# Altium PCB C1B_EVAL_DEV2.PcbDoc
Units mil, origin at the board's own origin, x right, y up, seen from the top; angles counter-clockwise.
Board outline 6000 x 4000 mil, 2 copper layers (Top Layer, Bottom Layer); 212 components, 130 nets, 682 pads, 0 vias.
Unrouted connection lines stored in the file: 438.
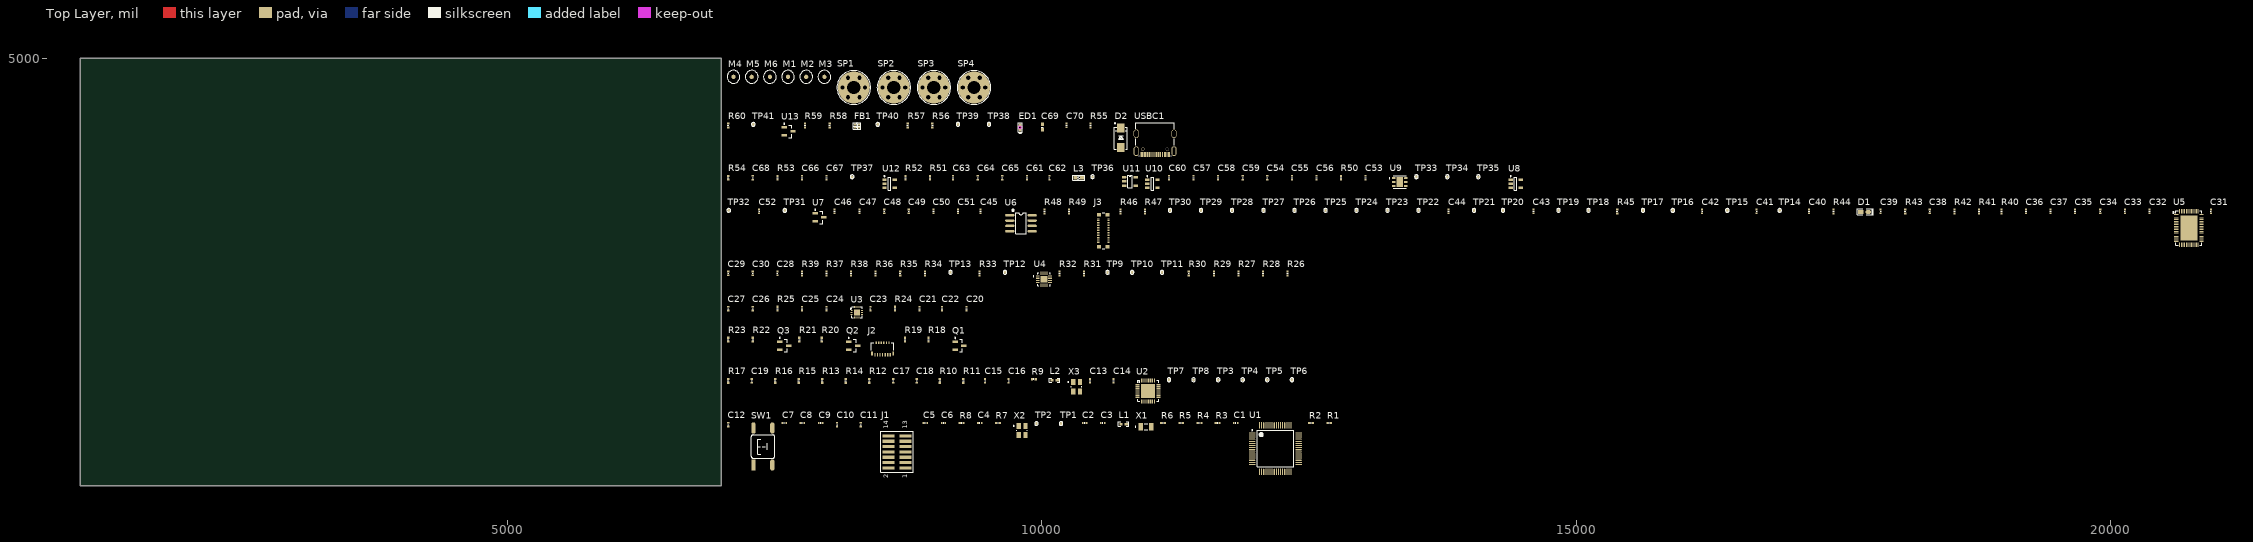
[diagram p0: Top Layer view]
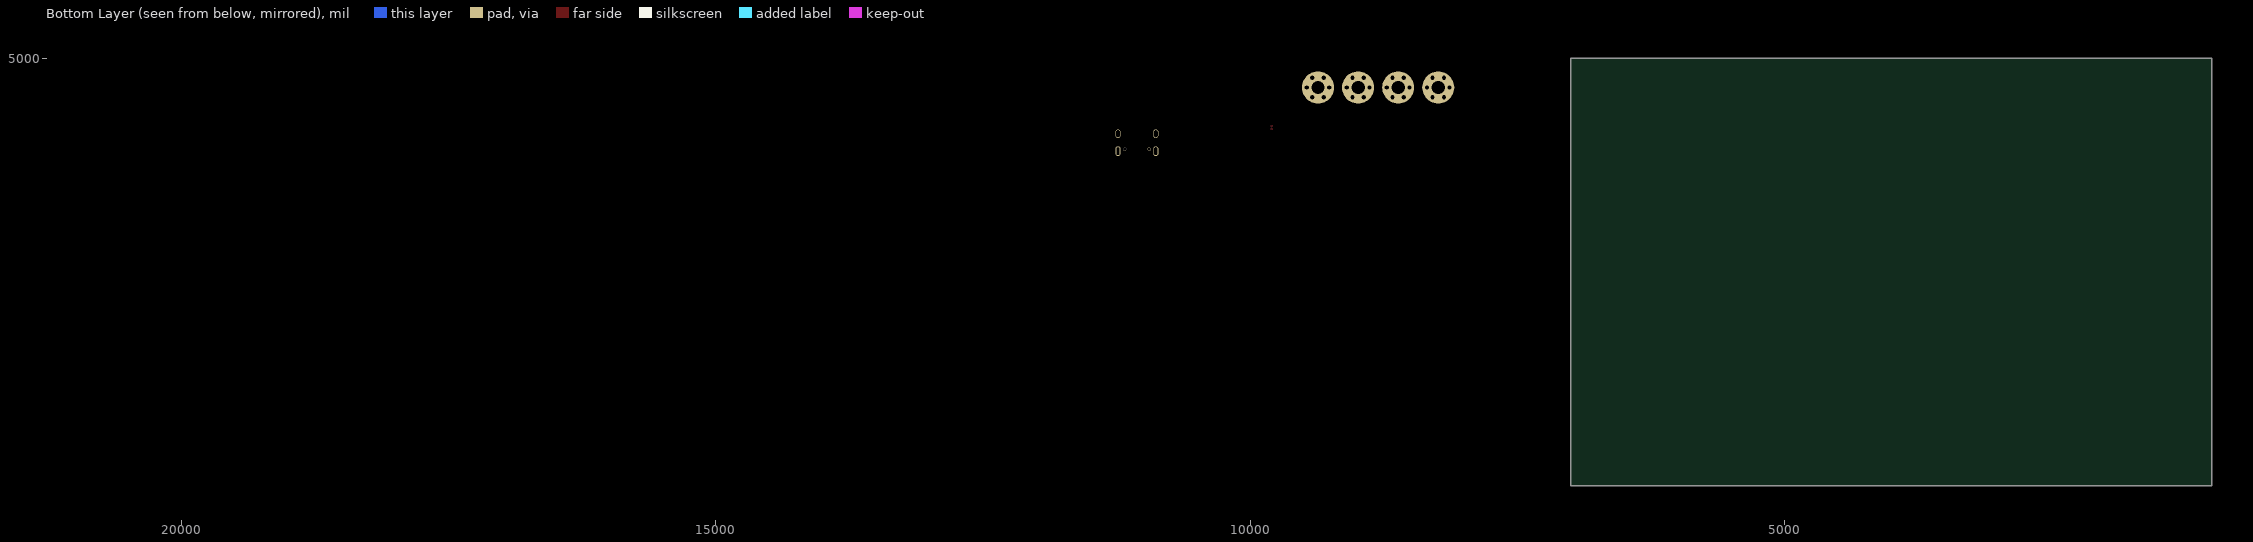
[diagram p1: Bottom Layer view, seen from below]

## Layer stack, top to bottom
Top Solder: solder mask 0.4, Solder Resist, Dk 3.5
Top Layer: signal copper 1.4
Dielectric 1: dielectric 12.6, FR-4, Dk 4.8
Bottom Layer: signal copper 1.4
Bottom Solder: solder mask 0.4, Solder Resist, Dk 3.5

## Board outline
1000,1000 7000,1000 7000,5000 1000,5000

## Design rules (kind name [scope] priority, off if disabled: settings)
Clearance [All] p1: gap=10 ignorepadtopadclearanceinfootprint=FALSE except(0: Arc-Hole Track-Hole SMDPad-Hole THPad-Hole Via-Hole Fill-Hole Poly-Hole Region-Hole Text-Hole)
DiffPairsRouting [All] p1: maxlimit=10 minlimit=10 mostfreqgap=10 toplayer_minwidth=15 toplayer_maxwidth=15 toplayer_prefwidth=15 bottomlayer_minwidth=15 bottomlayer_maxwidth=15 bottomlayer_prefwidth=15 maxuncoupledlength=500
PolygonConnect [All] p1: connectstyle=Relief reliefconductorwidth=10 reliefentries=4 polygonreliefangle="90 Angle" airgapwidth=10
RoomDefinition 99_MISCS [InComponentClass('99_MISCS')] p1: confinementstyle=ConfineIn formatcopy=TRUE lockcomponents=FALSE outline 7045,4555 9535,4555 9535,4995 7045,4995
RoomDefinition 22_USB_CONNECTOR [InComponentClass('22_USB_CONNECTOR')] p2: confinementstyle=ConfineIn formatcopy=TRUE lockcomponents=FALSE outline 7045,4065 11270,4065 11270,4505 7045,4505
RoomDefinition 21_POWER_DOMAINS [InComponentClass('21_POWER_DOMAINS')] p3: confinementstyle=ConfineIn formatcopy=TRUE lockcomponents=FALSE outline 7045,3745 14520,3745 14520,4015 7045,4015
RoomDefinition 15_ISP [InComponentClass('15_ISP')] p4: confinementstyle=ConfineIn formatcopy=TRUE lockcomponents=FALSE outline 7045,3170 21095,3170 21095,3700 7045,3700
RoomDefinition 12_ADAU7118_CODEC [InComponentClass('12_ADAU7118_CODEC')] p5: confinementstyle=ConfineIn formatcopy=TRUE lockcomponents=FALSE outline 7045,2840 12475,2840 12475,3120 7045,3120
RoomDefinition 11_ES7201_LOOPBACK [InComponentClass('11_ES7201_LOOPBACK')] p6: confinementstyle=ConfineIn formatcopy=TRUE lockcomponents=FALSE outline 7045,2550 9470,2550 9470,2790 7045,2790
RoomDefinition 10_PDM_MICS [InComponentClass('10_PDM_MICS')] p7: confinementstyle=ConfineIn formatcopy=TRUE lockcomponents=FALSE outline 7045,2160 9315,2160 9315,2500 7045,2500
RoomDefinition 06_USB_HUB20 [InComponentClass('06_USB_HUB20')] p8: confinementstyle=ConfineIn formatcopy=TRUE lockcomponents=FALSE outline 7045,1755 12510,1755 12510,2115 7045,2115
RoomDefinition 05_SM32_MCU [InComponentClass('05_SM32_MCU')] p9: confinementstyle=ConfineIn formatcopy=TRUE lockcomponents=FALSE outline 7045,1060 12770,1060 12770,1705 7045,1705
RoutingVias [All] p1: holewidth=28 width=50 viastyle="Through Hole" minholewidth=28 minwidth=50 maxholewidth=28 maxwidth=50
SolderMaskExpansion [All] p1: expansion=4 istentingtop=FALSE
Width [All] p1: maxlimit=10 minlimit=10 preferedwidth=10
29 further rules are at their usual default settings.

## Classes and differential pairs
differential pair class USB: HUB1_D HUB2_D USB_D USB_M_D
differential pair class AUDIO_IN: AUDIO_R LOOPBACK_R
net class USB: HUB1_D_N HUB1_D_P USB_D_N USB_D_P
net class AUDIO_DIFF: AUDIO_R_N AUDIO_R_P LOOPBACK_R_N LOOPBACK_R_P
component class 99_MISCS: M1 M2 M3 M4 M5 M6 SP1 SP2 SP3 SP4
component class 22_USB_CONNECTOR: C69 C70 D2 ED1 FB1 R55 R56 R57 R58 R59 R60 TP38 TP39 TP40 TP41 U13 USBC1
component class 21_POWER_DOMAINS: C53 C54 C55 C56 C57 C58 C59 C60 C61 C62 C63 C64 C65 C66 C67 C68 L3 R50 R51 R52 R53 R54 TP33 TP34 TP35 TP36 TP37 U8 U9 U10 U11 U12
component class 15_ISP: C31 C32 C33 C34 C35 C36 C37 C38 C39 C40 C41 C42 C43 C44 C45 C46 C47 C48 C49 C50 C51 C52 D1 J3 R40 R41 R42 R43 R44 R45 R46 R47 R48 R49 TP14 TP15 TP16 TP17 TP18 TP19 TP20 TP21 TP22 TP23 TP24 TP25 TP26 TP27 TP28 TP29 TP30 TP31 TP32 U5 U6 U7
component class 12_ADAU7118_CODEC: C28 C29 C30 R26 R27 R28 R29 R30 R31 R32 R33 R34 R35 R36 R37 R38 R39 TP9 TP10 TP11 TP12 TP13 U4
component class 11_ES7201_LOOPBACK: C20 C21 C22 C23 C24 C25 C26 C27 R24 R25 U3
component class 10_PDM_MICS: J2 Q1 Q2 Q3 R18 R19 R20 R21 R22 R23
component class 06_USB_HUB20: C13 C14 C15 C16 C17 C18 C19 L2 R9 R10 R11 R12 R13 R14 R15 R16 R17 TP3 TP4 TP5 TP6 TP7 TP8 U2 X3
component class 05_SM32_MCU: C1 C2 C3 C4 C5 C6 C7 C8 C9 C10 C11 C12 J1 L1 R1 R2 R3 R4 R5 R6 R7 R8 SW1 TP1 TP2 U1 X1 X2
differential pair USB_M_D: +USB_M_D_P -USB_M_D_N
differential pair USB_D: +USB_D_P -USB_D_N
differential pair LOOPBACK_R: +LOOPBACK_R_P -LOOPBACK_R_N
differential pair HUB2_D: +HUB2_D_P -HUB2_D_N
differential pair HUB1_D: +HUB1_D_P -HUB1_D_N
differential pair AUDIO_R: +AUDIO_R_P -AUDIO_R_N

## Components (designator, comment, footprint, x,y, rotation, side; value= is the part's Value field where it differs from the comment)
C1 "1uF" C0402_L 11815,1585 r0 top
C2 "4.3pF" C0402_L 10400,1585 r0 top
C3 "4.3pF" C0402_L 10570,1585 r0 top
C4 "4.7uF" C0402_L 9420,1585 r0 top
C5 "20pF" C0402_L 8910,1585 r0 top
C6 "20pF" C0402_L 9080,1585 r0 top
C7 "100nF" C0402_L 7590,1585 r0 top
C8 "2.2uF" C0402_L 7760,1585 r0 top
C9 "2.2uF" C0402_L 7930,1585 r0 top
C10 "2.2uF" C0402_L 8085,1570 r90 top
C11 "2.2uF" C0402_L 8305,1570 r90 top
C12 "100nF" C0402_L 7065,1570 r90 top
C13 "100nF" C0402_L 10450,1980 r90 top
C14 "100nF" C0402_L 10670,1980 r90 top
C15 "100nF" C0402_L 9470,1980 r90 top
C16 "100nF" C0402_L 9690,1980 r90 top
C17 "20pF" C0402_L 8610,1980 r90 top
C18 "20pF" C0402_L 8830,1980 r90 top
C19 "100nF" C0402_L 7285,1980 r90 top
C20 "1uF" C0402_L 9295,2655 r90 top
C21 "1uF" C0402_L 8855,2655 r90 top
C22 "1uF" C0402_L 9065,2655 r90 top
C23 "1uF" C0402_L 8395,2655 r90 top
C24 "100nF" C0402_L 7985,2655 r90 top
C25 "1uF" C0402_L 7755,2655 r90 top
C26 "1uF" C0402_L 7295,2655 r90 top
C27 "1uF" C0402_L 7065,2655 r90 top
C28 "100nF" C0402_L 7525,2985 r90 top
C29 "100nF" C0402_L 7065,2985 r90 top
C30 "100nF" C0402_L 7295,2985 r90 top
C31 "100nF" C0402_L 20940,3565 r90 top
C32 "100nF" C0402_L 20365,3565 r90 top
C33 "100nF" C0402_L 20135,3565 r90 top
C34 "1uF" C0402_L 19905,3565 r90 top
C35 "100nF" C0402_L 19670,3565 r90 top
C36 "1uF" C0402_L 19210,3565 r90 top
C37 "100nF" C0402_L 19440,3565 r90 top
C38 "100nF" C0402_L 18310,3565 r90 top
C39 "100nF" C0402_L 17850,3565 r90 top
C40 "100nF" C0402_L 17180,3565 r90 top
C41 "1uF" C0402_L 16690,3565 r90 top
C42 "1uF" C0402_L 16180,3565 r90 top
C43 "1uF" C0402_L 14600,3565 r90 top
C44 "1uF" C0402_L 13805,3565 r90 top
C45 "100nF" C0402_L 9425,3565 r90 top
C46 "2.2uF" C0402_L 8060,3565 r90 top
C47 "100nF" C0402_L 8295,3565 r90 top
C48 "2.2uF" C0402_L 8525,3565 r90 top
C49 "100nF" C0402_L 8755,3565 r90 top
C50 "2.2uF" C0402_L 8985,3565 r90 top
C51 "100nF" C0402_L 9215,3565 r90 top
C52 "1uF" C0402_L 7355,3565 r90 top net-tie
C53 "4.7uF" C0402_L 13030,3880 r90 top
C54 "1uF" C0402_L 12110,3880 r90 top
C55 "100nF" C0402_L 12340,3880 r90 top
C56 "1uF" C0402_L 12570,3880 r90 top
C57 "1uF" C0402_L 11420,3880 r90 top
C58 "100nF" C0402_L 11650,3880 r90 top
C59 "100nF" C0402_L 11880,3880 r90 top net-tie
C60 "100nF" C0402_L 11190,3880 r90 top
C61 "4.7uF" C0402_L 9860,3880 r90 top
C62 "4.7uF" C0402_L 10070,3880 r90 top
C63 "1uF" C0402_L 9170,3880 r90 top
C64 "4.7uF" C0402_L 9400,3880 r90 top
C65 "1uF" C0402_L 9630,3880 r90 top
C66 "22pF" C0402_L 7755,3880 r90 top
C67 "10uF" C0402_L 7985,3880 r90 top
C68 "1uF" C0402_L 7295,3880 r90 top
C69 "22uF" C0603_L 10005,4355 r90 top
C70 "100nF" C0402_L 10230,4370 r90 top
D1 "White LED 0603" LED0603_W 17700,3560 r0 top
D2 "SS14" SMA 10740,4255 r90 top
ED1 "ESD5451N" ESD0402 9800,4325 r90 top
FB1 "MCZ1210AH900L2T" L0402D 8285,4405 r0 top net-tie
J1 "FTSH-107-01-F-DV-K-P-TR" SAMTEC-FTSH-107-01-X-DV 8645,1315 r90 top
J2 "1-2328724-3" 123287243 8510,2280 r0 top
J3 "AXE530127" AXE530127_counterclock_pin 10575,3385 r90 top
L1 "BEAD" L0402 10765,1575 r0 top
L2 "120R" L0402 10120,1985 r0 top
L3 "UPZ1608U601-1R3TF" L0603 10345,3880 r0 top
M1 "MARK" MARK 7625,4825 r0 top net-tie
M2 "MARK" MARK 7795,4825 r0 top net-tie
M3 "MARK" MARK 7965,4825 r0 top net-tie
M4 "MARK" MARK 7115,4825 r0 top net-tie
M5 "MARK" MARK 7285,4825 r0 top net-tie
M6 "MARK" MARK 7455,4825 r0 top net-tie
Q1 "SS8050-G" SOT23 9230,2310 r0 top
Q2 "SS8050-G" SOT23 8235,2310 r0 top
Q3 "SS8050-G" SOT23 7590,2310 r0 top
R1 "0R" R0402 12690,1585 r0 top
R2 "0R" R0402 12520,1585 r0 top net-tie
R3 "0R" R0402 11645,1585 r0 top
R4 "0R" R0402 11475,1585 r0 top
R5 "0R" R0402 11305,1585 r0 top
R6 "0R" R0402 11135,1585 r0 top
R7 "0R" R0402 9590,1585 r0 top
R8 "0R" R0402 9250,1585 r0 top
R9 "0R" R0402 9925,1995 r0 top
R10 "10K" R0402 9045,1980 r90 top
R11 "0R" R0402 9265,1980 r90 top
R12 "10K" R0402 8385,1980 r90 top
R13 "10K" R0402 7945,1980 r90 top
R14 "680R" R0402 8165,1980 r90 top
R15 "10K" R0402 7725,1980 r90 top
R16 "10K" R0402 7505,1980 r90 top
R17 "4.7K" R0402 7065,1980 r90 top
R18 "1K" R0402 8940,2365 r90 top
R19 "200R" R0402 8720,2365 r90 top
R20 "1K" R0402 7940,2365 r90 top
R21 "200R" R0402 7730,2365 r90 top
R22 "1K" R0402 7295,2365 r90 top
R23 "200R" R0402 7065,2365 r90 top
R24 "10K" R0402 8625,2655 r90 top
R25 "10K" R0402 7525,2655 r90 top
R26 "0R" R0402 12300,2985 r90 top
R27 "10K" R0402 11840,2985 r90 top
R28 "10K" R0402 12070,2985 r90 top
R29 "0R" R0402 11610,2985 r90 top
R30 "0R" R0402 11375,2985 r90 top
R31 "0R" R0402 10395,2985 r90 top
R32 "0R" R0402 10165,2985 r90 top
R33 "0R" R0402 9415,2985 r90 top
R34 "0R" R0402 8905,2985 r90 top
R35 "0R" R0402 8675,2985 r90 top
R36 "0R" R0402 8445,2985 r90 top
R37 "0R" R0402 7985,2985 r90 top
R38 "10K" R0402 8215,2985 r90 top
R39 "0R" R0402 7755,2985 r90 top
R40 "0R" R0402 18980,3565 r90 top net-tie
R41 "2.2K" R0402 18770,3565 r90 top
R42 "0R" R0402 18540,3565 r90 top net-tie
R43 "510R" R0402 18080,3565 r90 top
R44 "2.2K" R0402 17410,3565 r90 top
R45 "2.2K" R0402 15385,3565 r90 top
R46 "2.2K" R0402 10735,3565 r90 top
R47 "2.2K" R0402 10965,3565 r90 top
R48 "10K" R0402 10025,3565 r90 top
R49 "10K" R0402 10255,3565 r90 top
R50 "10K" R0402 12800,3880 r90 top
R51 "120K" R0402 8955,3880 r90 top
R52 "100K" R0402 8725,3880 r90 top
R53 "180K" R0402 7525,3880 r90 top
R54 "68K" R0402 7065,3880 r90 top
R55 "5.1K" R0402 10455,4370 r90 top
R56 "510K" R0402 8975,4370 r90 top
R57 "0R" R0402 8745,4370 r90 top
R58 "510K" R0402 8015,4370 r90 top
R59 "0R" R0402 7785,4370 r90 top
R60 "510K" R0402 7065,4370 r90 top
SP1 "M3铜柱" M3x4_N 8240,4725 r0 top net-tie
SP2 "M3铜柱" M3x4_N 8615,4725 r0 top net-tie
SP3 "M3铜柱" M3x4_N 8990,4725 r0 top net-tie
SP4 "M3铜柱" M3x4_N 9365,4725 r0 top net-tie
SW1 "4x4x1.5" "TSW SMD-6*6*5" 7390,1365 r90 top
TP1 "ST_RX" TP_0R70 10180,1580 r90 top
TP2 "ST_TX" TP_0R70 9950,1580 r90 top
TP3 "" TP_0R70 11650,1990 r90 top
TP4 "" TP_0R70 11880,1990 r90 top
TP5 "" TP_0R70 12110,1990 r90 top
TP6 "" TP_0R70 12340,1990 r90 top
TP7 "" TP_0R70 11190,1990 r90 top
TP8 "" TP_0R70 11420,1990 r90 top
TP9 "TDM_FS" TP_0R70 10615,2995 r90 top
TP10 "TDM_SD" TP_0R70 10845,2995 r90 top
TP11 "TDM_SCK" TP_0R70 11125,2995 r90 top
TP12 "SCL" TP_0R70 9655,2995 r90 top
TP13 "SDA" TP_0R70 9145,2995 r90 top
TP14 "MIPI_I2C_SCL" TP_0R70 16905,3575 r90 top
TP15 "MIPI_I2C_SDA" TP_0R70 16415,3575 r90 top
TP16 "MIPI_RST" TP_0R70 15905,3575 r90 top
TP17 "MIPI_MCLK" TP_0R70 15625,3575 r90 top
TP18 "MIPI_D3N" TP_0R70 15115,3575 r90 top
TP19 "MIPI_D3P" TP_0R70 14835,3575 r90 top
TP20 "MIPI_D1N" TP_0R70 14315,3575 r90 top
TP21 "MIPI_D1P" TP_0R70 14045,3575 r90 top
TP22 "MIPI_CLKN" TP_0R70 13525,3575 r90 top
TP23 "MIPI_CLKP" TP_0R70 13235,3575 r90 top
TP24 "MIPI_D0N" TP_0R70 12945,3575 r90 top
TP25 "MIPI_D0P" TP_0R70 12655,3575 r90 top
TP26 "MIPI_D2N" TP_0R70 12365,3575 r90 top
TP27 "MIPI_D2P" TP_0R70 12075,3575 r90 top
TP28 "1V8" TP_0R70 11780,3575 r90 top
TP29 "2V9" TP_0R70 11490,3575 r90 top
TP30 "1V1" TP_0R70 11200,3575 r90 top
TP31 "2V9" TP_0R70 7595,3575 r90 top
TP32 "1V1" TP_0R70 7070,3575 r90 top
TP33 "5V" TP_0R70 13505,3890 r90 top
TP34 "3V3" TP_0R70 13795,3890 r90 top
TP35 "TP_0.7" TP_0R70 14085,3890 r90 top net-tie
TP36 "1V1" TP_0R70 10475,3890 r90 top
TP37 "2V9" TP_0R70 8225,3890 r90 top
TP38 "DN" TP_0R70 9505,4380 r90 top
TP39 "DP" TP_0R70 9215,4380 r90 top
TP40 "RP" TP_0R70 8465,4380 r90 top
TP41 "RN" TP_0R70 7300,4380 r90 top
U1 "STM32F446RET6" LQFP64_L 12185,1345 r0 top
U2 "GL850" QFN-28 10995,1885 r0 top
U3 "ES7201" QFN12 8220,2640 r0 top
U4 "ADAU7118" QFN50P300X300X80-17N 10020,2930 r0 top
U5 "SPCA2688A-HV35H" SPCA2680A_QFN58 20735,3410 r0 top
U6 "GD25D10B/ZB25VQ40ATIGT" SOIC-8 9805,3455 r0 top
U7 "SGM809-2.93V" SOT23 7920,3510 r0 top
U8 "PT5108E23E-18" SOT23-5 14435,3825 r0 top
U9 "LD39050PU33R" SON95P300X300X100-7N 13350,3840 r0 top
U10 "WL2836E11" SOT23-5 11035,3825 r0 top
U11 "RT8096A-B" SOT_23_5 10770,3885 r0 top
U12 "LP3983SAB5F" SOT23-5 8575,3825 r0 top
U13 "ESD5302F" SOT23 7630,4315 r0 top
USBC1 "TYPE-C 2.0 -16P" USB-C-SMD_16P 11060,4195 r0 top
X1 "ABS05-32.768kHz-7-T" XTAL_3215-32.768K 10975,1550 r0 top
X2 "8MHZ" XTAL_3225-8MHZ 9815,1515 r0 top
X3 "12MHZ" XTAL_3225-8MHZ 10325,1925 r0 top

## Footprints (in the part's own frame and the unit in brackets; to place one, negate y for a bottom-side part, rotate by r counter-clockwise, add the part's x,y. Pads: shape width x height; smd on the part's side, far side on the other; paste and mask are expansions set on the pad)
123287243 [mm]
  rect 0.3x0.85 smd: 1(-1.8,-1.425) 3(-1.2,-1.425) 5(-0.6,-1.425) 7(0,-1.425) 9(0.6,-1.425) 11(1.2,-1.425) 13(1.8,-1.425)
  rect 0.3x0.65 smd: 2(-1.5,1.425) 4(-0.9,1.425) 6(-0.3,1.425) 8(0.3,1.425) 10(0.9,1.425) 12(1.5,1.425)
  rect 0.4x0.95 smd: MP1(-2.5,-1.175) MP2(2.5,-1.175)
  silkscreen extent -2.7,-0.38 2.7,1.43, body extent -2.7,-1.96 2.7,1.52, height 1
AXE530127_counterclock_pin [mm]
  rect 0.23x0.5 smd: 1(2.8,-1.2) 2(2.4,-1.2) 3(2,-1.2) 4(1.6,-1.2) 5(1.2,-1.2) 6(0.8,-1.2) 7(0.4,-1.2) 8(0,-1.2) 9(-0.4,-1.2) 10(-0.8,-1.2) 11(-1.2,-1.2) 12(-1.6,-1.2) 13(-2,-1.2) 14(-2.4,-1.2) 15(-2.8,-1.2) 16(-2.8,1.2) 17(-2.4,1.2) 18(-2,1.2) 19(-1.6,1.2) 20(-1.2,1.2) 21(-0.8,1.2) 22(-0.4,1.2) 23(0,1.2) 24(0.4,1.2) 25(0.8,1.2) 26(1.2,1.2) 27(1.6,1.2) 28(2,1.2) 29(2.4,1.2) 30(2.8,1.2)
  rect 0.9x0.92 smd: MP1(-3.8,-0.99) MP2(3.8,-0.99) MP3(3.8,0.99) MP4(-3.8,0.99)
  silkscreen extent -4.25,-0.3 4.25,0.3, body extent -4.25,-1.43 4.25,1.43, height 1.07
C0402_L [mm] "无极性贴片电容"
  rect 0.4x0.5 smd: 1(-0.45,0) 2(0.45,0)
  silkscreen extent 0,-0.15 0,0.15, body extent -0.5,-0.26 0.5,0.26, height 0.54
C0603_L [mil] "无极性贴片电容"
  rect 30x30 smd: 1(-25.59,0) 2(25.59,0)
  silkscreen extent 0,-9 0,9, body extent -31,-16 32,16, height 33
ESD0402 [mil]
  rect 25x25 smd: 1(0,2) 2(50,2)
  Top Layer region: 39.5,13 28.75,2.25 39.75,-8.75 39.75,12.5 39.5,12.5 39.5,13
  Top Layer region: 37.5,9 31,2.5 37.75,-4.25 37.75,8.5 37.5,8.5 37.5,9
  Top Layer region: 11,-8.5 21.75,2.25 10.75,13.25 10.75,-8 11,-8 11,-8.5
  Top Layer region: 13,-4.5 19.5,2 12.75,8.75 12.75,-4 13,-4 13,-4.5
  Top Layer lines w2: 5.5,9.5 13,9.5 ; 37.5,9.5 45,9.5 ; 7,8 14.5,8 ; 36,8 43.5,8 ; 8,6.5 15.5,6.5 ; 34.5,6.5 42,6.5 ; 9,5.5 16.5,5.5 ; 33.5,5 41,5 ; 10,4.5 17.5,4.5 ; 32,4 39.5,4 ; 11.5,3.5 19,3.5 ; 31,3 38.5,3 ; 12.5,2.5 20,2.5 ; 30.5,2 38,2 ; 12,1.5 19.5,1.5 ; 31.5,1 39,1 ; 11,0.5 18.5,0.5 ; 33,0 40.5,0 ; 9.5,-0.5 17,-0.5 ; 34,-1 41.5,-1 ; 8.5,-2 16,-2 ; 35,-2 42.5,-2 ; 7,-3.5 14.5,-3.5 ; 36,-3.5 43.5,-3.5 ; 5.5,-5 13,-5 ; 37.5,-5 45,-5
  Top Layer keep-out region: 12.5,14.5 37.5,14.5 37.5,-10.5 12.5,-10.5 12.5,14.5
  silkscreen extent -30,-18 70,22, body extent -5,-10 50,15, height 20
L0402 [mil] "小功率贴片电感"
  rect 30x25 smd: 1(-25,0) 2(25,0)
  silkscreen extent -50,-20 50,20, body extent -20,-10 20,10, height 20
L0402D [mil]
  rect 19.68x19.68 smd: 1(-33.35,-24.61) 2(6.02,-24.61) 3(-33.35,-56.1) 4(6.02,-56.1)
  silkscreen extent -49,-72 22,-8, body extent -45,-70 20,-10, height 20
L0603 [mm]
  rect 0.965x0.8 smd mask+0.05: 1(-0.8,0) 2(0.8,0)
  silkscreen extent -1.45,-0.6 1.45,0.6
LED0603_W [mil] "白色0603LED"
  rect 50x35 smd: 1(-35,0.26)
  oct 50x35 smd: 2(35,0.26)
  silkscreen extent -71,-28 81,28, body extent -31,-16 31,16, height 18
LQFP64_L [mm] "封装库来自淘宝 ID：黄晶宝石 Thin QFP, 64-Leads, Body 10x10mm, Pitch 0.5mm, IPC High Density"
  oval 1.55x0.25 smd: 1(-5.525,3.75) 2(-5.525,3.25) 3(-5.525,2.75) 4(-5.525,2.25) 5(-5.525,1.75) 6(-5.525,1.25) 7(-5.525,0.75) 8(-5.525,0.25) 9(-5.525,-0.25) 10(-5.525,-0.75) 11(-5.525,-1.25) 12(-5.525,-1.75) 13(-5.525,-2.25) 14(-5.525,-2.75) 15(-5.525,-3.25) 16(-5.525,-3.75) 33(5.525,-3.75) 34(5.525,-3.25) 35(5.525,-2.75) 36(5.525,-2.25) 37(5.525,-1.75) 38(5.525,-1.25) 39(5.525,-0.75) 40(5.525,-0.25) 41(5.525,0.25) 42(5.525,0.75) 43(5.525,1.25) 44(5.525,1.75) 45(5.525,2.25) 46(5.525,2.75) 47(5.525,3.25) 48(5.525,3.75)
  oval 0.25x1.55 smd: 17(-3.75,-5.525) 18(-3.25,-5.525) 19(-2.75,-5.525) 20(-2.25,-5.525) 21(-1.75,-5.525) 22(-1.25,-5.525) 23(-0.75,-5.525) 24(-0.25,-5.525) 25(0.25,-5.525) 26(0.75,-5.525) 27(1.25,-5.525) 28(1.75,-5.525) 29(2.25,-5.525) 30(2.75,-5.525) 31(3.25,-5.525) 32(3.75,-5.525) 49(3.75,5.525) 50(3.25,5.525) 51(2.75,5.525) 52(2.25,5.525) 53(1.75,5.525) 54(1.25,5.525) 55(0.75,5.525) 56(0.25,5.525) 57(-0.25,5.525) 58(-0.75,5.525) 59(-1.25,5.525) 60(-1.75,5.525) 61(-2.25,5.525) 62(-2.75,5.525) 63(-3.25,5.525) 64(-3.75,5.525)
  silkscreen extent -5.65,-4.35 4.35,4.55, body extent -6,-6 6,6, height 1.45
M3x4_N [mil] "M3铜柱，长：4mm"
  round 40 hole 40: 1(-106,0) 1(-53,-91.8) 1(-53,91.8) 1(53,-91.8) 1(53,91.8) 1(106,0)
  round 300 hole 125: 1(0,0)
  silkscreen extent -157,-157 157,157, body extent -106,-93 106,93, height 159
MARK [mm]
  round 1 smd mask+0.05: 1(0,0)
  Top Layer pour cut-out: 1.524,0 1.523,0.066 1.519,0.133 1.511,0.199 1.501,0.265 1.488,0.33 1.472,0.395 1.454,0.458 1.432,0.521 1.408,0.583 1.382,0.644 1.352,0.704 1.32,0.762 1.286,0.819 1.249,0.874 1.209,0.928 1.168,0.98 1.124,1.03 1.078,1.078 1.03,1.124 0.98,1.168 0.928,1.209 0.874,1.249 0.819,1.286 0.762,1.32 0.704,1.352 0.644,1.382 0.583,1.408 0.521,1.432 0.458,1.454 0.395,1.472 0.33,1.488 0.265,1.501 0.199,1.511 0.133,1.519 0.066,1.523 0,1.524 -0.066,1.523 -0.133,1.519 -0.199,1.511 -0.265,1.501 -0.33,1.488 -0.395,1.472 -0.458,1.454 -0.521,1.432 -0.583,1.408 -0.644,1.382 -0.704,1.352 -0.762,1.32 -0.819,1.286 -0.874,1.249 -0.928,1.209 -0.98,1.168 -1.03,1.124 -1.078,1.078 -1.124,1.03 -1.168,0.98 -1.209,0.928 -1.249,0.874 -1.286,0.819 -1.32,0.762 -1.352,0.704 -1.382,0.644 -1.408,0.583 -1.432,0.521 -1.454,0.458 -1.472,0.395 -1.488,0.33 -1.501,0.265 -1.511,0.199 -1.519,0.133 -1.523,0.066 -1.524,0 -1.523,-0.066 -1.519,-0.133 -1.511,-0.199 -1.501,-0.265 -1.488,-0.33 -1.472,-0.395 -1.454,-0.458 -1.432,-0.521 -1.408,-0.583 -1.382,-0.644 -1.352,-0.704 -1.32,-0.762 -1.286,-0.819 -1.249,-0.874 -1.209,-0.928 -1.168,-0.98 -1.124,-1.03 -1.078,-1.078 -1.03,-1.124 -0.98,-1.168 -0.928,-1.209 -0.874,-1.249 -0.819,-1.286 -0.762,-1.32 -0.704,-1.352 -0.644,-1.382 -0.583,-1.408 -0.521,-1.432 -0.458,-1.454 -0.395,-1.472 -0.33,-1.488 -0.265,-1.501 -0.199,-1.511 -0.133,-1.519 -0.066,-1.523 0,-1.524 0.066,-1.523 0.133,-1.519 0.199,-1.511 0.265,-1.501 0.33,-1.488 0.395,-1.472 0.458,-1.454 0.521,-1.432 0.583,-1.408 0.644,-1.382 0.704,-1.352 0.762,-1.32 0.819,-1.286 0.874,-1.249 0.928,-1.209 0.98,-1.168 1.03,-1.124 1.078,-1.078 1.124,-1.03 1.168,-0.98 1.209,-0.928 1.249,-0.874 1.286,-0.819 1.32,-0.762 1.352,-0.704 1.382,-0.644 1.408,-0.583 1.432,-0.521 1.454,-0.458 1.472,-0.395 1.488,-0.33 1.501,-0.265 1.511,-0.199 1.519,-0.133 1.523,-0.066 1.524,0
  silkscreen extent -1.52,-1.52 1.52,1.52
QFN12 [mil]
  oval 17x10 smd: 1(0,0)
  rect 17x10 smd: 2(0,-19.68) 3(0,-39.37) 7(98.43,-39.37) 8(98.43,-19.68) 9(98.43,0)
  rect 10x17 smd: 4(29.53,-68.9) 5(49.21,-68.9) 6(68.9,-68.9) 10(68.9,29.53) 11(49.21,29.53) 12(29.53,29.53)
  rect 57.48x57.48 smd: 13(50,-20)
  Top Layer keep-out region: 35,-20
  Top Layer keep-out region: 45,-10
  Top Layer keep-out region: 45,-10
  silkscreen extent -15,-68 98,31, body extent 0,-65 100,30, height 25
QFN50P300X300X80-17N [mm]
  rrect25% 0.84x0.26 smd: 1(-1.435,0.75) 2(-1.435,0.25) 3(-1.435,-0.25) 4(-1.435,-0.75) 9(1.435,-0.75) 10(1.435,-0.25) 11(1.435,0.25) 12(1.435,0.75)
  rrect25% 0.26x0.84 smd: 5(-0.75,-1.435) 6(-0.25,-1.435) 7(0.25,-1.435) 8(0.75,-1.435) 13(0.75,1.435) 14(0.25,1.435) 15(-0.25,1.435) 16(-0.75,1.435)
  rect 1.6x1.6 smd paste-2: 17(0,0)
  silkscreen extent -2.57,-1.5 1.5,1.5, body extent -1.5,-1.5 1.5,1.5, height 0.6
QFN-28 [mm]
  rect 0.95x0.3 smd: 1(-2.5,1.5) 2(-2.5,1) 3(-2.5,0.5) 4(-2.5,0) 5(-2.5,-0.5) 6(-2.5,-1) 7(-2.5,-1.5) 15(2.5,-1.5) 16(2.5,-1) 17(2.5,-0.5) 18(2.5,0) 19(2.5,0.5) 20(2.5,1) 21(2.5,1.5)
  rect 0.3x0.95 smd: 8(-1.5,-2.5) 9(-1,-2.5) 10(-0.5,-2.5) 11(0,-2.5) 12(0.5,-2.5) 13(1,-2.5) 14(1.5,-2.5) 22(1.5,2.5) 23(1,2.5) 24(0.5,2.5) 25(0,2.5) 26(-0.5,2.5) 27(-1,2.5) 28(-1.5,2.5)
  rect 3.35x3.35 smd: PAD(0,0)
  silkscreen extent -2.5,-2.5 2.5,2.5, body extent -2.49,-2.49 2.49,2.49, height 4.44
R0402 [mil]
  rect 19.69x19.69 smd mask+1.97: 1(-17.72,0) 2(17.72,0)
  silkscreen extent 0,-7 0,7, body extent -19,-10 20,10, height 6
SAMTEC-FTSH-107-01-X-DV [mil]
  rect 29.13x109.84 smd: 1(-150,-80) 2(-150,80) 3(-100,-80) 4(-100,80) 5(-50,-80) 6(-50,80) 7(0,-80) 8(0,80) 9(50,-80) 10(50,80) 11(100,-80) 12(100,80) 13(150,-80) 14(150,80)
  silkscreen extent -193,-153 193,153, body extent -175,-183 175,107, height 279
SMA [mm] "4.5x2.6*2.2mm（长宽高，不包括引脚）"
  rect 2.2x1.75 smd: 1(-2.3,0) 2(2.3,0)
  silkscreen extent -2.7,-1.52 3.56,1.52, body extent -2.55,-1.3 2.55,1.3, height 2.15
SOIC-8 [mm] "封装库来自淘宝卖家 ID：黄晶宝石"
  oval 2.2x0.6 smd: 1(-2.654,1.905) 2(-2.654,0.635) 3(-2.654,-0.635) 4(-2.654,-1.905) 5(2.654,-1.905) 6(2.654,-0.635) 7(2.654,0.635) 8(2.654,1.905)
  silkscreen extent -2.06,-2.5 1.27,3.2, body extent -3,-2.5 3,2.5, height 1.9
SON95P300X300X100-7N [mm]
  rect 1.625x2.365 smd paste-2: 0(0,0)
  rrect50% 0.84x0.4 smd: 1(-1.435,0.95) 2(-1.435,0) 3(-1.435,-0.95) 4(1.435,-0.95) 5(1.435,0) 6(1.435,0.95)
  silkscreen extent -2.55,-1.5 1.5,1.5, body extent -1.5,-1.47 1.52,1.52, height 0.75
SOT23 [mm] "SOT23, 3-Leads, Body 2.9x1.3mm, Pitch 0.95mm, Lead Span 2.4mm, IPC Medium Density"
  rect 1.3x0.6 smd: 1(-1.05,0.95) 2(-1.05,-0.95) 3(1.05,0)
  silkscreen extent -1.17,-1.5 0.7,1.92, body extent -1.2,-1.5 1.2,1.5, height 1.05
SOT23-5 [mm] "SOT23, 5-Leads, Body 2.9x1.6mm, Pitch 0.95mm, IPC Medium Density"
  rect 1.05x0.6 smd: 1(-1.2,0.95) 2(-1.2,0) 3(-1.2,-0.95) 4(1.2,-0.95) 5(1.2,0.95)
  silkscreen extent -1.32,-1.55 0.3,1.92, body extent -1.4,-1.5 1.4,1.5, height 1.15
SOT_23_5 [mm]
  oval 1.1x0.6 smd mask+0.05: 1(0,0)
  rect 1.1x0.6 smd mask+0.05: 2(0,-1) 3(0,-2) 4(2.8,-2) 5(2.8,0)
  silkscreen extent 0.88,-2.5 1.95,0.5, body extent 0.46,-2.46 2.34,0.53, height 1
SPCA2680A_QFN58 [mm]
  rect 1x0.22 smd: 1(-3,3.2) 2(-3,2.8) 3(-3,2.4) 4(-3,2) 5(-3,1.6) 6(-3,1.2) 7(-3,0.8) 8(-3,0.4) 9(-3,0) 10(-3,-0.4) 11(-3,-0.8) 12(-3,-1.2) 13(-3,-1.6) 14(-3,-2) 15(-3,-2.4) 16(-3,-2.8) 17(-3,-3.2) 30(3,-3.2) 31(3,-2.8) 32(3,-2.4) 33(3,-2) 34(3,-1.6) 35(3,-1.2) 36(3,-0.8) 37(3,-0.4) 38(3,0) 39(3,0.4) 40(3,0.8) 41(3,1.2) 42(3,1.6) 43(3,2) 44(3,2.4) 45(3,2.8) 46(3,3.2)
  rect 0.22x1 smd: 18(-2.2,-4) 19(-1.8,-4) 20(-1.4,-4) 21(-1,-4) 22(-0.6,-4) 23(-0.2,-4) 24(0.2,-4) 25(0.6,-4) 26(1,-4) 27(1.4,-4) 28(1.8,-4) 29(2.2,-4) 47(2.2,4) 48(1.8,4) 49(1.4,4) 50(1,4) 51(0.6,4) 52(0.2,4) 53(-0.2,4) 54(-0.6,4) 55(-1,4) 56(-1.4,4) 57(-1.8,4) 58(-2.2,4)
  rect 4x6 smd: 59(0,0)
  silkscreen extent -3.86,-4.1 3.1,4.1, body extent -3.1,-4.09 3.1,4.09, height 0.6
TP_0R70 [mm]
  round 0.7 smd mask+0.05: 1(0,0)
  silkscreen extent -0.45,-0.45 0.45,0.45
"TSW SMD-6*6*5" [mm] "6*6*5mm           淘宝ID:黄晶宝石"
  rect 2.7x1 smd: 1(-4.4,2.261)
  oval 2.7x1 smd: 2(-4.4,-2.239) 3(4.4,-2.239) 4(4.4,2.261)
  silkscreen extent -2.79,-2.79 2.79,2.79, body extent -4.5,-3 4.5,3, height 5.03
USB-C-SMD_16P [mm] "封装库来自淘宝ID:黄晶宝石"
  oval 1.2x2.3 hole 0.7 slot 1.8 at 90 deg: 0(-4.5,-1.675) 0(4.5,-1.675)
  oval 1.2x2 hole 0.8 slot 1.6 at 90 deg: 0(-4.5,2.475) 0(4.5,2.475)
  rect 0.3x1.15 smd: A1(3.35,-2.473) A4(2.55,-2.471) A5(1.25,-2.475) A6(0.25,-2.475) A7(-0.25,-2.473) A9(-2.55,-2.475) A12(-3.35,-2.475) B1(-3.05,-2.475) B4(-2.25,-2.475) B5(-1.75,-2.475) B6(-0.75,-2.475) B7(0.75,-2.473) B9(2.25,-2.471) B12(3.05,-2.473)
  rect 0.3x1.148 smd: A8(1.75,-2.475) B8(-1.25,-2.475)
  round 0.75 hole 0.75 unplated: ""(-2.89,-1.175) ""(2.89,-1.175)
  silkscreen extent -4.56,-2.75 4.5,5.08, body extent -4.44,-2.87 4.5,5.03, height 3.25
XTAL_3215-32.768K [mm]
  rect 1x1.8 smd: 1(-1.25,0) 2(1.25,0)
  silkscreen extent -2.6,-0.75 0.43,0.75, body extent -1.6,-0.75 1.6,0.75, height 0.9
XTAL_3225-8MHZ [mm]
  rect 1x1.4 smd: 1(-0.8,1.1) 2(-0.8,-1.1) 3(0.8,-1.1) 4(0.8,1.1)
  silkscreen extent -2.1,-0.08 1.25,1.2, body extent -1.17,-1.6 1.19,1.6, height 0.75

## Part data
C1 C34 C36 C41 C42 C43 C44 C52 C56 C65: library part "CAP NP_Dup1", "cap,1.00uF,+/-10%,10V,X5R,C0402", Part Type=C0402, PCB Footprint=C0402, Priority=A
C2 C3: library part "CAP NP_Dup1", "cap,4.3pF,+/-10%,25V,X5R,C0402", Part Type=C0402, PCB Footprint=C0402, Priority=A
C4 C53 C61 C62 C64: library part "CAP NP_Dup1", "cap,4.70uF,+/-10%,6.3V,X5R,C0402", Part Type=C0402, PCB Footprint=C0402, Priority=A
C5 C6 C17 C18: library part "CAP NP_Dup1", "cap,20pF,+/-10%,25V,X5R,C0402", Part Type=C0402, PCB Footprint=C0402, Priority=A
C7 C12 C13 C14 C15 C16 C19 C24 C59 C60 C70: library part "CAP NP_Dup1", "cap,100.00nF,+/-10%,10V,X5R,C0402", Part Type=C0402, PCB Footprint=C0402, Priority=A
C8 C9 C10 C11 C46 C48 C50: library part "CAP NP_Dup1", "cap,2.20uF,+/-10%,10V,X5R,C0402", Part Type=C0402, PCB Footprint=C0402, Priority=A
C20 C21 C22 C23 C25 C26 C27: library part "CAP NP_Dup1", "cap,1.00uF,+/-10%,6.3V,X5R,C0402", Part Type=C0402, PCB Footprint=C0402, Priority=A
C28 C29 C30 C55 C58: library part "CAP NP_Dup1", "cap,1.0uF,+/-10%,6.3V,C0402", Part Type=C0402, PCB Footprint=C0402, Priority=A
C31 C32 C33 C35 C37 C38 C39 C40 C45 C47 C49 C51: library part "CAP NP_Dup1", "cap,100.00nF,+/-10%,25V,X5R,C0402", Part Type=C0402, PCB Footprint=C0402, Priority=A
C54 C57 C63 C68: library part "CAP NP_Dup1", "cap,1.0uF,+/-10%,6.3V,X5R,C0402", Part Type=C0402, PCB Footprint=C0402, Priority=A
C66: library part "CAP NP_Dup1", "cap,22pF,+/-10%,6.3V,X5R,C0402", Part Type=C0402, PCB Footprint=C0402, Priority=A
C67: library part "CAP NP_Dup1", "cap,10uF,+/-10%,6.3V,X5R,C0402", Part Type=C0402, PCB Footprint=C0402, Priority=A
C69: library part "CAP NP_Dup1", "cap,22.00uF,+/-10%,10V,X5R,C0603", Part Type=C0603, PCB Footprint=C0603, Priority=A
D1: library part LED, "LED 0603 Wite 发光二极管", Part Type=SS14
D2: "SS14 肖特基二极管", Part Type=SS14
ED1: library part "DIODE BI_DIR TRIG", "1-Line, Bi-directional, Transient Voltage Suppressors.17.5pF.", Part Type=ESD_TVS, PCB Footprint=ESD0402, Priority=A
FB1: library part "INDUCTOR COM", "MCZ1210AH900L2T, 0603 90Ohm 100MHz", Part Type=BEAD, PCB Footprint=RP2_0504, Priority=A
J1: "Samtec 14Pin 2x7 Header Connector. / STM32_STLINK_V3 Debug"
J2: library part 12pP254, "FFC & FPC连接器 13 PIN FPC CONNECTOR 0.3mmP FRONT FLIP"
J3: "AXE530127 Connector", Manufacturer_Name=Panasonic, Mouser2 Part Number=679-AXE530127, Datasheet Link=https://componentsearchengine.com//AXE530127.pdf, Height=0.97mm, Manufacturer_Part_Number=AXE530127, Mouser2 Price/Stock=https://www.mouser.com/Search/Refine.aspx?Keyword=679-AXE530127
L1: library part L-AL, "鐵氧體磁珠 33ohm 0.55A 550mOhms 0402 Chip Bead"
L2: library part L, "鐵氧體磁珠 120 OHM 25%"
L3: library part L, "UPZ1608U601-1R3TF 0603 贴片小功率电感"
M1 M2 M3 M4 M5 M6: "PCBA MARKS"
Q1 Q2 Q3: "Transistor BJT NPN", Manufacturer_Name="Comchip Technology", Mouser2 Part Number=750-SS8050-G, Datasheet Link=https://componentsearchengine.com//SS8050-G.pdf, Height=1.15mm, Manufacturer_Part_Number=SS8050-G, Mouser2 Price/Stock=https://www.mouser.com/Search/Refine.aspx?Keyword=750-SS8050-G
R1 R2 R3 R4 R5 R6 R7 R8 R9 R11 R26 R29 R30 R31 R32 R33 R34 R35 R36 R37 R39 R40 R42 R57 R59: library part RESISTOR, "通用厚膜电阻,0R,+/-5%,R0402", Tolerance=5%, Part Type=通用厚膜电阻, PCB Footprint=R0402, Priority=A
R10 R12 R13 R15 R16 R24 R25 R27 R28 R38 R48 R49 R50: library part RESISTOR, "通用厚膜电阻,10K,+/-5%,R0402", Tolerance=5%, Part Type=通用厚膜电阻, PCB Footprint=R0402, Priority=A
R14: library part RESISTOR, "通用厚膜电阻,680R,+/-1%,R0402", Tolerance=1%, Part Type=通用厚膜电阻, PCB Footprint=R0402, Priority=A
R17: library part RESISTOR, "通用厚膜电阻,4.7K,+/-5%,R0402", Tolerance=5%, Part Type=通用厚膜电阻, PCB Footprint=R0402, Priority=A
R18 R20 R22: library part RESISTOR, "通用厚膜电阻,1K,+/-5%,R0405", Tolerance=5%, Part Type=通用厚膜电阻, PCB Footprint=R0402, Priority=A
R19 R21 R23: library part RESISTOR, "通用厚膜电阻,200R,+/-5%,R0402", Tolerance=5%, Part Type=通用厚膜电阻, PCB Footprint=R0402, Priority=A
R41 R44 R45 R46 R47: library part RESISTOR, "通用厚膜电阻,2.2K,+/-5%,R0402", Tolerance=5%, Part Type=通用厚膜电阻, PCB Footprint=R0402, Priority=A
R43: library part RESISTOR, "通用厚膜电阻,510R,+/-5%,R0402", Tolerance=5%, Part Type=通用厚膜电阻, PCB Footprint=R0402, Priority=A
R51 R53: library part RESISTOR, "通用厚膜电阻,180K,+/-1%,R0402,1/16W.", Tolerance=1%, Part Type=通用厚膜电阻, PCB Footprint=R0402, Priority=A
R52: library part RESISTOR, "通用厚膜电阻,100K,+/-1%,R0402", Tolerance=1%, Part Type=通用厚膜电阻, PCB Footprint=R0402, Priority=A
R54: library part RESISTOR, "通用厚膜电阻,68K,+/-1%,R0402", Tolerance=1%, Part Type=通用厚膜电阻, PCB Footprint=R0402, Priority=A
R55: library part RESISTOR, "通用厚膜电阻,5.1K,+/-5%,R0402", Tolerance=5%, Part Type=通用厚膜电阻, PCB Footprint=R0402, Priority=A
R56 R58 R60: library part RESISTOR, "通用厚膜电阻,510K,+/-1%,R0402", Tolerance=5%, Part Type=通用厚膜电阻, PCB Footprint=R0402, Priority=A
SP1 SP2 SP3 SP4: library part 铜柱大焊盘, "铜柱"
SW1: library part "SW SMD-4x4", "贴片4x4轻触开关"
TP1 TP2 TP3 TP4 TP5 TP6 TP7 TP8 TP9 TP10 TP11 TP12 TP13 TP14 TP15 TP16 TP17 TP18 TP19 TP20 TP21 TP22 TP23 TP24 TP25 TP26 TP27 TP28 TP29 TP30 TP31 TP32 TP33 TP34 TP35 TP36 TP37 TP38 TP39 TP40 TP41: library part TP, "Test Point 0.7mm", Part Type=TP, PCB Footprint=TP_0R50, Priority=A
U2: library part GL850G, "GL850 4 Port USB HUB QFN-28", Package=QFN-28
U3: "ES7201 PCM to PDM Convertor"
U4: "16-lead, 3 mm × 3 mm, 0.50 mm pitch LFCSP"
U5: "SPCA2688A-HV35H ISP IC / QFN58 0.4MM"
U6: library part GD25D10B, "SPI FLASH SOP-8"
U7: "SGM809-2.93V SOT-23-3/SOT-23 / Microprocessor Supervisory Circuit / Power on Reset"
U8: library part LDO_PT5108, "High-PSRR 600mA LDO.Output1.8V.", Part Type=LDO, PCB Footprint=SOT_23_5, Priority=A
U9: "LD39050PU33R  /  6-DFN (3x3) / Output 500mA"
U10: library part DCDC_WL2836E, "WL2836E11 DCDC for CMOS Sensor"
U11: "RT8096A-B / SOT-23-5"
U12: library part DCDC_LP3983S, "LP3983SAB5F 2V9 DCfor CMOS SensorSOT_23_5"
U13: library part ESD_ESDA6V8UL, "2-Lines, Uni-directional,Ultra-low Capacitance.Transient Voltage Suppressors", Part Type=ESD_TVS, PCB Footprint=SOT_23, Priority=A
USBC1: library part USB2.0_Type-C_16Pin, "USB2.0_Type-C_16Pin母座"
X1: library part XTAL-2P, "ABS05-32.768kHz-7-T / 3215 2脚无源晶振(谐振器）"
X2: library part CRYSTAL_4P, "8MHZ (16pF), 3.2 mm x 2.5 mm / 无源晶振(谐振器）"
X3: library part CRYSTAL_4P, "12MHZ (16pF), 3.2 mm x 2.5 mm / 无源晶振(谐振器）"

## Nets (pads, with @x,y where several pads share a name; then routed paths per layer and width w, separated by ;. In a path a pad name is that pad's centre, name@x,y a point inside that pad or via, vN(x,y) a via of type N, cw(c..) or ccw(c..) an arc to the next point about the centre after c; other vN are vias at no path point)
AUDIO_R_N: R60.2 TP41.1 USBC1.B8
AUDIO_R_P: R58.2 TP40.1 USBC1.A8
AVDD: C7.1 L1.2 U1.13
AVDD2V9: C48.1 C49.1 C66.1 C67.1 J3.25 R53.1 TP29.1 TP37.1 U12.5
BOOT0: R1.1 R2.1 U1.60
CGPIO0: R41.1 U5.7
CMOS_SCK1: J3.20 R47.1 TP14.1 U5.42
CMOS_SDA1: J3.19 R46.1 TP15.1 U5.41
CODEC_EN: C28.1 R4.1 R38.1 U4.13
DVDD1V1: C50.1 C51.1 C61.1 J3.24 TP30.1 TP36.1 U10.5
DVDD1V3: C32.2 C34.1 C36.1 C37.2 C64.1 C65.1 L3.2 R51.1 U5.4 U5.13
FVDD: C1.1 C1.2 C2.2 C3.2 C4.2 C5.2 C6.2 C7.2 C8.1 C8.2 C9.1 C9.2 C10.1 C10.2 C11.1 C11.2 C12.1 C13.1 C13.2 C14.1 C14.2 C15.2 C16.2 C17.2 C18.2 C19.2 C20.2 C21.1 C22.2 C23.2 C24.1 C24.2 C25.2 C28.2 C29.2 C30.1 C30.2 C31.1 C32.1 C33.1 C34.2 C35.1 C35.2 C36.2 C37.1 C38.1 C39.1 C39.2 C40.2 C41.2 C42.1 C43.2 C44.2 C45.1 C45.2 C46.2 C47.2 C48.2 C49.2 C50.2 C51.2 C52.1 C52.2 C53.2 C54.2 C55.2 C56.2 C57.1 C57.2 C58.1 C58.2 C59.2 C60.2 C61.2 C62.2 C63.1 C63.2 C64.2 C65.2 C67.2 C68.1 C68.2 C69.2 C70.2 D1.2 ED1.2 J1.3 J1.5 J1.7 J1.11 J2.1 J2.2 J2.4 J2.8 J2.12 J3.1 J3.4 J3.7 J3.10 J3.13 J3.16 J3.22 J3.26 J3.30 J3.MP1 J3.MP2 J3.MP3 J3.MP4 L1.1 L2.1 R1.2 R2.2 R10.2 R12.2 R13.1 R14.2 R15.1 R17.2 R19.2 R21.2 R23.2 R24.1 R25.2 R27.2 R28.2 R38.2 R41.2 R44.2 R45.2 R48.2 R49.2 R52.2 R54.2 R55.2 R56.1 SW1.2 SW1.3 TP32.1 TP34.1 U1.1 U1.12 U1.18 U1.19 U1.31 U1.32 U1.47 U1.48 U1.63 U1.64 U2.15 U2.16 U2.24 U3.8 U3.9 U3.13 U4.12 U4.15 U4.16 U4.17 U5.5 U5.6 U5.19 U5.23 U5.26 U5.59 U6.4 U6.7 U6.8 U7.1 U7.3 U8.2 U9.0 U9.2 U9.4 U10.1 U10.2 U11.2 U12.1 U12.2 U13.3 USBC1.A1 USBC1.A12 USBC1.B1 USBC1.B12 X2.2 X2.4 X3.2 X3.4
GPIO0: R44.1 U5.8
GPIO1: R45.1 U5.9 U10.3
GPIO3: U5.11 U12.3
HSI_OSC_IN: R8.2 U1.5
HSI_OSC_OUT: R7.1 U1.6
HUB1_D_N: TP3.1 U2.27 U5.21
HUB1_D_P: TP4.1 U2.28 U5.22
HUB2_D_N: TP5.1 U1.44 U2.2
HUB2_D_P: TP6.1 U1.45 U2.3
HUB_OSC_IN: R11.2 U2.6
HUB_OSC_OUT: R9.1 U2.7
I2C1_SCL: R27.1 R37.1 TP12.1 U1.58
I2C1_SDA: R28.1 R39.1 TP13.1 U1.59
LED_B: J2.11 Q3.3
LED_B_PWM: R22.1 U1.16
LED_G: J2.10 Q2.3
LED_G_PWM: R20.1 U1.15
LED_R: J2.9 Q1.3
LED_R_PWM: R18.1 U1.14
LOOPBACK_R_N: C26.2 R60.1
LOOPBACK_R_P: C27.2 R58.1
LSI_OSC_IN: R5.1 U1.3
LSI_OSC_OUT: R6.1 U1.4
MIPI_CSI_CLK0: J3.21 TP17.1 U5.44
MIPI_CSI_RX0_CLK_N: J3.9 TP22.1 U5.35
MIPI_CSI_RX0_CLK_P: J3.8 TP23.1 U5.36
MIPI_CSI_RX0_D0_N: J3.6 TP24.1 U5.37
MIPI_CSI_RX0_D0_P: J3.5 TP25.1 U5.38
MIPI_CSI_RX0_D1_N: J3.12 TP20.1 U5.33
MIPI_CSI_RX0_D1_P: J3.11 TP21.1 U5.34
MIPI_CSI_RX0_D2_N: J3.3 TP26.1 U5.39
MIPI_CSI_RX0_D2_P: J3.2 TP27.1 U5.40
MIPI_CSI_RX0_D3_N: J3.15 TP18.1 U5.31
MIPI_CSI_RX0_D3_P: J3.14 TP19.1 U5.32
MIPI_RX0_RST: J3.18 TP16.1 U5.43
NetC2_1: C2.1 R6.2 X1.1
NetC3_1: C3.1 R5.2 X1.2
NetC4_1: C4.1 U1.30
NetC5_1: C5.1 R7.2 X2.3
NetC6_1: C6.1 R8.1 X2.1
NetC15_1: C15.1 C16.1 L2.2 U2.1 U2.5 U2.10
NetC17_1: C17.1 R9.2 X3.3
NetC18_1: C18.1 R11.1 X3.1
NetC19_1: C19.1 R16.2 R17.1 U2.13
NetC20_1: C20.1 U3.11
NetC21_2: C21.2 U3.12
NetC22_1: C22.1 U3.10
NetC23_1: C23.1 R24.2 U3.1
NetC25_1: C25.1 U3.7
NetC26_1: C26.1 U3.6
NetC27_1: C27.1 U3.5
NetC41_1: C41.1 U5.25
NetC59_1: C59.1 U8.4
NetC60_1: C60.1 R50.2 U8.3
NetC66_2: C66.2 R53.2 R54.1 U12.4
NetD1_1: D1.1 R43.1
NetL3_1: L3.1 U11.3
NetQ1_1: Q1.1 R18.2
NetQ1_2: Q1.2 R19.1
NetQ2_1: Q2.1 R20.2
NetQ2_2: Q2.2 R21.1
NetQ3_1: Q3.1 R22.2
NetQ3_2: Q3.2 R23.1
NetR3_2: R3.2 U1.8
NetR4_2: R4.2 U1.9
NetR10_1: R10.1 U2.21
NetR12_1: R12.1 U2.18
NetR13_2: R13.2 R15.2 U2.17
NetR14_1: R14.1 U2.4
NetR25_1: R25.1 U3.4
NetR30_2: R30.2 TP9.1 U4.9
NetR32_2: R32.2 TP11.1 U4.10
NetR34_2: R34.2 TP10.1 U4.11
NetR37_2: R37.2 U4.7
NetR39_2: R39.2 U4.8
NetR40_1: R40.1 U5.29
NetR42_1: R42.1 U5.28
NetR51_2: R51.2 R52.1 U11.5
NetR55_1: R55.1 USBC1.B5
NetR56_2: R56.2 USBC1.A5
NRST: C12.2 J1.12 SW1.1 SW1.4 U1.7
PDM_CLK: J2.3 R26.1 U3.3
PDM_CLK0: R26.2 U4.1
PDM_CLK1: R33.2 U4.4
PDM_DAT_0: R29.2 U4.2
PDM_DAT_1: R31.2 U4.3
PDM_DAT_2: R35.2 U4.5
PDM_DAT_3: R36.2 U4.6
PDM_SDI0: J2.5 R29.1
PDM_SDI1: J2.6 R31.1
PDM_SDI2: J2.7 R35.1
PDM_SDI3: R36.1 U3.2
SAI1_FS_B: R30.1 U1.62
SAI1_SCK_B: R32.1 U1.33
SAI1_SD_B: R34.1 U1.42
SIOVDD: C31.2 C33.2 C40.1 C43.1 J3.23 R46.2 R47.2 U5.27 U5.45 U5.57
STLINK_RX: J1.13 TP2.1 U1.37
STLINK_TX: J1.14 TP1.1 U1.38
SVAAO: C44.1 U5.24
SWCLK: J1.6 U1.49
SWDIO: J1.4 U1.46
SWO: J1.8 U1.55
USB_5V_IN: D2.1 ED1.1 USBC1.A4 USBC1.A9 USBC1.B4 USBC1.B9
USB_D_N: FB1.4 R57.1 TP38.1 U13.1 USBC1.A7 USBC1.B7
USB_D_P: FB1.2 R59.1 TP39.1 U13.2 USBC1.A6 USBC1.B6
USB_M_D_N: FB1.3 R57.2 TP7.1 U2.25
USB_M_D_P: FB1.1 R59.2 TP8.1 U2.26
UVDD33: C38.2 C42.2 U5.20
VCC5V0_SYS: C54.1 C55.1 C56.1 C62.1 C69.1 C70.1 D2.2 R16.1 R50.1 TP33.1 U2.23 U8.1 U9.1 U9.6 U11.1 U11.4
VCC_1V8: C29.1 C46.1 C47.1 C53.1 TP28.1 TP35.1 U4.14 U8.5
xecs: R49.1 U5.2 U6.1
xedi: TP31.1 U5.1 U6.5
xedo: U5.3 U6.2
xesk: U5.58 U6.6
xewp: R48.1 U6.3 U7.2
XHIGHDRV: R3.1 R43.2 U5.16
xHSYNC: R42.2
xVSYNC: R40.2
pads on no net: J1.1 J1.2 J1.9 J1.10 J2.13 J2.MP1 J2.MP2 J3.17 J3.27 J3.28 J3.29 M1.1 M2.1 M3.1 M4.1 M5.1 M6.1 R33.1 SP1.1 SP2.1 SP3.1 SP4.1 U1.2 U1.10 U1.11 U1.17 U1.20 U1.21 U1.22 U1.23 U1.24 U1.25 U1.26 U1.27 U1.28 U1.29 U1.34 U1.35 U1.36 U1.39 U1.40 U1.41 U1.43 U1.50 U1.51 U1.52 U1.53 U1.54 U1.56 U1.57 U1.61 U2.8 U2.9 U2.11 U2.12 U2.14 U2.19 U2.20 U2.22 U2.PAD U5.10 U5.12 U5.14 U5.15 U5.17 U5.18 U5.30 U5.46 U5.47 U5.48 U5.49 U5.50 U5.51 U5.52 U5.53 U5.54 U5.55 U5.56 U9.3 U9.5 U10.4 USBC1. USBC1.0

## Text inside footprints (layer, text, board x,y; h text height)
J1: Top Overlay "14" at 8582.99,1531.58 h77.5 r90; Top Overlay "13" at 8757.01,1531.58 h77.5 r90; Top Overlay "2" at 8582.99,1066.93 h77.5 r90; Top Overlay "1" at 8757.01,1066.93 h77.5 r90; Mechanical 16 "14" at 8582.99,1531.58 h77.5 r90; Mechanical 16 "13" at 8757.01,1531.58 h77.5 r90; Mechanical 16 "2" at 8582.99,1066.93 h77.5 r90; Mechanical 16 "1" at 8757.01,1066.93 h77.5 r90